# Altium PCB Pleiades_PP.PcbDoc (part 10 of 15)
Units mil, origin at the board's own origin, x right, y up, seen from the top; angles counter-clockwise.
Board outline 12244.09 x 4515.28 mil, 12 copper layers (TOP, GND1, IN1, GND2, POW1, GND3, POW2, GND4, GND5, IN2, GND6, BOT), stack 63.546 mil thick; 1447 components, 738 nets, 4532 pads, 3316 vias.
Unrouted connection lines stored in the file: 499.
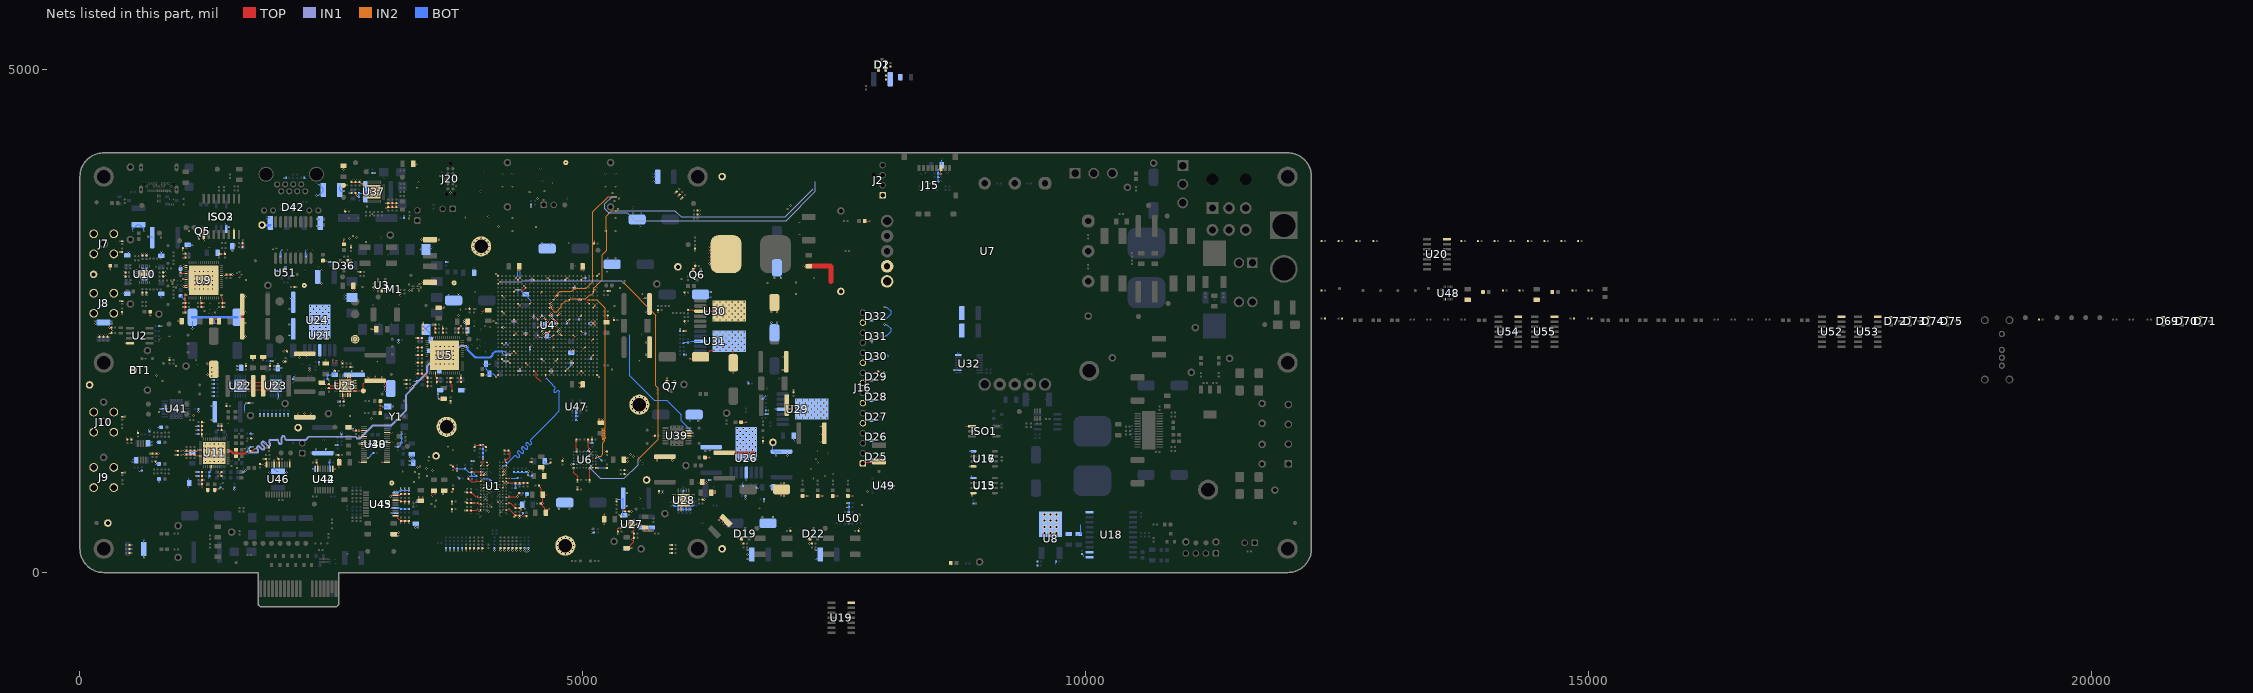
[diagram p20: the nets of this part, all layers, seen from the top]

## Via types
v1: diameter 12/18/18/18/18/18/18/18/18/18/18/12 (per signal layer), hole 6, TOP to BOT, 2739 vias
v2: diameter 20, hole 10, TOP to BOT, 363 vias
v3: diameter 19.68, hole 7.87, TOP to BOT, 110 vias
v4: diameter 40, hole 20, TOP to BOT, 36 vias
v5: diameter 25, hole 12, TOP to BOT, 32 vias
v6: diameter 22, hole 12, TOP to BOT, 27 vias
v7: diameter 19.68, hole 11.81, TOP to BOT, 9 vias

## Nets (pads, with @x,y where several pads share a name; then routed paths per layer and width w, separated by ;. In a path a pad name is that pad's centre, name@x,y a point inside that pad or via, vN(x,y) a via of type N, cw(c..) or ccw(c..) an arc to the next point about the centre after c; other vN are vias at no path point) (continued)
DQ15: U1.A3 U4.N1 | length 1575.7
  TOP w8.89: v1(4188.98,1047.24) 4204.72,1031.5 ; v1(4629.92,1936.73) U4.N1@4629.92,1964.57
  BOT w8.89: v1(4188.98,1047.24) 4198.63,1047.24 4214.07,1062.69 4224.08,1062.69 4294.93,1133.54 4318.5,1157.11 cw(c4328.71,1146.9) 4338.93,1157.11 4347.65,1148.39 ccw(c4357.86,1158.61) 4368.07,1148.39 ccw(c4357.86,1158.61) 4368.07,1168.82 4353.19,1183.7 cw(c4363.41,1193.91) 4353.19,1204.13 cw(c4363.41,1193.91) 4373.62,1204.13 4388.5,1189.25 ccw(c4398.72,1199.46) 4408.93,1189.25 ccw(c4398.72,1199.46) 4408.93,1209.68 4394.05,1224.56 cw(c4404.27,1234.77) 4394.05,1244.99 cw(c4404.27,1234.77) 4414.48,1244.99 4429.36,1230.11 ccw(c4439.57,1240.32) 4449.79,1230.11 ccw(c4439.57,1240.32) 4449.79,1250.53 4434.91,1265.41 cw(c4445.12,1275.63) 4434.91,1285.84 cw(c4445.12,1275.63) 4455.34,1285.84 4466.58,1274.6 ccw(c4476.79,1284.81) 4487.01,1274.6 ccw(c4476.79,1284.81) 4487.01,1295.03 4481.93,1300.11 cw(c4492.14,1310.32) 4481.93,1320.54 4707.3,1545.91 4767.72,1606.33 4767.72,1781.44 4767.72,1798.93 4763.1,1803.55 ccw(c4752.89,1793.33) 4742.68,1803.55 4734.82,1795.69 cw(c4724.61,1805.9) 4714.39,1795.69 cw(c4724.61,1805.9) 4714.39,1816.12 4722.25,1823.97 ccw(c4712.03,1834.19) 4722.25,1844.4 4671.71,1894.94 v1(4629.92,1936.73)
EN_EXT_SEL: R82.2 U4.AD19 U6.H4 | length 2078.9
  TOP w5.95: U6.H4@5129.49,1137.99 v1(5145.24,1153.74)
  TOP w8.89: v1(5043.31,2692.91) U4.AD19@5062.99,2673.23
  IN2 w3.68: v1@5045,2689.43 5045,2698.48 5047.2,2700.68 5047.2,2702.2 5055,2710 5140,2710 5222.04,2627.97 5222.04,1455.02 5222.04,1437.5 cw(c5214.2,1437.5) 5214.2,1429.67 5193.45,1429.67 ccw(c5193.45,1421.83) 5193.45,1413.99 5214.48,1413.99 cw(c5214.48,1406.15) 5214.48,1398.31 5193.45,1398.31 ccw(c5193.45,1390.47) 5193.45,1382.63 5214.2,1382.63 cw(c5214.2,1374.8) 5214.2,1366.96 5193.45,1366.96 ccw(c5193.45,1359.12) 5193.45,1351.28 5217.81,1351.28 cw(c5217.81,1343.44) 5217.81,1335.6 5202.32,1335.6 ccw(c5202.32,1327.77) 5202.32,1319.93 5208.38,1319.93 cw(c5208.38,1312.09) 5213.92,1306.55 5207.79,1300.42 5200,1292.63 5200,1175 5183.4,1158.4 5153.77,1158.4 5149.11,1153.74 v1(5145.24,1153.74)
  BOT w5.95: v1(5145.24,1153.74) 5146.39,1152.58 5149.92,1152.58 R82.2@5187.5,1115
ETHERNET_GROUND: C504.1 C507.2 C508.2 D42.3 D42.8 D44.2 D45.2 TP111.1 | length 464
  BOT w10: v1(1856.72,3530) C507.2@1885,3530 ; v1(2028.37,3925) D44.2@2051.22,3925 ; v1(2120,3586.56) D42.8@2120,3614.84 D42.3@2120,3645.16 ; D45.2@2228.78,3925 v1(2251.63,3925) ; v1(2353.06,3750) 2376.28,3750 2419,3792.72 C504.1@2419,3805 2419,3817.28 2376.28,3860 v1(2354,3860) ; v1(2356.72,3445) C508.2@2385,3445 ; v1(2356.72,3515) C508.2@2385,3515
  BOT w25: TP111.1@1810,3455 C507.2@1894,3455
FAN_PWM: D1.2 R54.1 U4.P18 | length 3614.4
  TOP w8.89: U4.P18@4669.29,2633.86 v1(4688.98,2653.54)
  IN1 w5: v1(5330,3595) 5916.15,3595 5976.15,3535 7010,3535 7290,3815
  IN2 w5: v1(4688.98,2653.54) 4688.98,2621.02 4715,2595 4740,2595 4786.5,2641.5 4786.5,2661.5 4829.41,2704.41 4864.41,2704.41 4880.78,2720.78 5030.78,2720.78 5070.15,2760.15 5087.44,2760.15 5110.55,2783.26 5110.55,2824.27 5195,2908.73 5195,3160 5240,3205 5240,3396.26 5235,3401.26 5235,3541.57 5288.43,3595 v1(5330,3595)
FAN_TACH: D2.2 R55.1 R56.2 U4.R20 | length 4009
  TOP w8.89: U4.R20@4708.66,2712.6 v1(4728.35,2732.28)
  IN1 w5: v1(5330,3735) 5290,3735 5220,3665 5220,3615 5257.93,3577.07 5442.93,3577.07 5520,3500 7020,3500 7312.25,3792.25 7312.25,3887
  IN2 w5: v1(4728.35,2732.28) 4728.35,2753.35 4773,2798 4889.07,2798 4897.33,2806.26 4916.07,2825 5035,2825 5100,2890 5100,3585 5250,3735 v1(5330,3735)
FGPA_TDO: U4.A24 U6.G1 | length 3921.8
  TOP w5.95: v1(5082.24,1059.25) U6.G1@5097.99,1043.5
  TOP w8.89: U4.A24@4157.48,2870.08 v1(4177.17,2889.76)
  IN1 w5.96: v1(5082.24,1059.25) 5082.24,1024.88 5172.13,935 5411.02,935 5550,1073.98 v1(5550,1125)
  IN1 w8.89: v1(4177.17,2889.76) 4394.76,2889.76 4408.21,2903.21 5381.79,2903.21 v1(5405,2880)
  IN2 w8.89: v1(5405,2880) 5725,2560 5725,1855 5750,1830 5750,1325 v1(5550,1125)
FRAME_N: R131.1 U4.C6 U11.20 | length 3973.1
  TOP w4.33: U11.20@1471.81,1219.53 1483.74,1219.53 1488.91,1214.35 1499.74,1214.35 1521.93,1192.16 1548.92,1192.16 1551.46,1194.7 R131.1@1551.46,1220 1560.11,1211.35 1560.11,1194.7 1562.64,1192.16 1636.62,1192.16 1640.49,1196.03 v1(1642.57,1196.03)
  TOP w8.89: U4.C6@4236.22,2161.42 v1(4255.91,2181.1)
  IN1 w3.09: v1(1642.57,1196.03) 1645.17,1198.64 1654.49,1198.64 1656.58,1200.73 1663.44,1200.73 1664.99,1200.73 ccw(c1664.99,1208.28) 1672.53,1208.28 1672.53,1230.9 cw(c1680.08,1230.9) 1680.08,1238.44 cw(c1680.08,1230.9) 1687.63,1230.9 1687.63,1207 ccw(c1695.18,1207) 1695.18,1199.45 1753.73,1199.45 1755.28,1199.45 1759.91,1199.45 1764.45,1199.45 1766.49,1201.49 ccw(c1758.32,1209.65) 1766.49,1217.82 1760.02,1224.28 cw(c1774.62,1238.88) 1760.02,1253.48 cw(c1774.62,1238.88) 1789.22,1253.48 1811.02,1231.67 ccw(c1819.19,1239.83) 1827.35,1248 1805.55,1269.81 cw(c1820.14,1284.4) 1805.55,1299 cw(c1820.14,1284.4) 1834.74,1299 1868.55,1265.19 ccw(c1876.71,1273.36) 1884.88,1265.19 ccw(c1876.71,1273.36) 1884.88,1281.52 1880.31,1286.08 cw(c1894.89,1300.7) 1880.29,1315.29 1888.64,1323.64 1906.41,1323.64 1919.74,1323.64 1958.02,1323.64 cw(c1958.02,1303) 1978.66,1303 1978.66,1295.19 ccw(c1990.21,1295.19) 1990.21,1283.64 ccw(c1990.21,1295.19) 2001.76,1295.19 2001.76,1339.9 cw(c2022.4,1339.9) 2022.4,1360.55 cw(c2022.4,1339.9) 2043.04,1339.9 2043.04,1335.19 ccw(c2054.59,1335.19) 2054.59,1323.64 2094.36,1323.64 2243.64,1323.64 2276.64,1356.64 2741.11,1356.64 2756.9,1340.85 2780.52,1340.85 2909.67,1470 3095,1470 3240,1615 3240,1770.08 3315.55,1845.63 3315.55,1855.14 3449.55,1989.14 3449.55,2056.96 3529.86,2137.27 3534.41,2137.27 3558.5,2161.36 3558.5,2165.91 3584.41,2191.82 3716.37,2191.82 3783.64,2259.09 3852.5,2259.09 v1(3853.4,2260)
  BOT w4.33: v1(3853.4,2260) 3852.73,2259.33 3852.73,2248.47 3860.84,2240.36 3860.84,2215.13 3930.97,2145 3935.97,2145 ccw(c3935.97,2145.88) 3936.85,2145.88 cw(c3937.72,2145.88) 3938.6,2145.88 ccw(c3939.47,2145.88) 3939.47,2145 4080,2145 4101.37,2166.37 4101.37,2177.9 4129.33,2205.86 4198.97,2205.86 4205.84,2198.98 4220.36,2198.98 4238.24,2181.1 v1(4255.91,2181.1)
FRAME_P: R130.1 U4.D6 U11.19 | length 3969.3
  TOP w4.33: U11.19@1471.81,1199.84 1483.74,1199.84 1488.91,1205.02 1495.88,1205.02 1518.06,1182.84 1548.92,1182.84 1551.46,1180.3 R130.1@1551.46,1155 1560.11,1163.65 1560.11,1180.3 1562.64,1182.84 1635,1182.84 1635.97,1181.86 1648.43,1181.86 1650.75,1184.18 v1(1663.44,1184.18)
  TOP w8.89: U4.D6@4275.59,2161.42 v1(4295.28,2181.1)
  IN1 w3.09: v1(1663.44,1184.18) 1666.53,1184.18 1672.7,1190.36 1768.22,1190.36 1768.61,1190.75 1772.92,1195.06 ccw(c1758.32,1209.65) 1772.92,1224.25 1766.45,1230.72 cw(c1774.62,1238.88) 1766.45,1247.05 cw(c1774.62,1238.88) 1782.78,1247.05 1804.59,1225.24 ccw(c1819.19,1239.83) 1833.77,1225.22 ; 1833.8,1225.26 ccw(c1819.19,1239.83) 1833.79,1254.43 1811.98,1276.24 cw(c1820.14,1284.4) 1811.98,1292.57 cw(c1820.14,1284.4) 1828.31,1292.57 1862.11,1258.76 ccw(c1876.71,1273.36) 1891.31,1258.76 ccw(c1876.71,1273.36) 1891.31,1287.95 1886.72,1292.54 cw(c1894.89,1300.7) 1886.72,1308.86 1892.41,1314.55 1915.51,1314.55 1919.74,1314.55 1958.02,1314.55 cw(c1958.02,1303) 1969.57,1303 1969.57,1295.19 ccw(c1990.21,1295.19) 1990.21,1274.55 ccw(c1990.21,1295.19) 2010.85,1295.19 2010.85,1339.9 cw(c2022.4,1339.9) 2022.4,1351.45 cw(c2022.4,1339.9) 2033.95,1339.9 2033.95,1335.19 ccw(c2054.59,1335.19) 2054.59,1314.55 2094.36,1314.55 2247.41,1314.55 2280.41,1347.55 2737.34,1347.55 2753.13,1331.76 2784.29,1331.76 2913.44,1460.91 3098.77,1460.91 3249.09,1611.23 3249.09,1766.32 3324.64,1841.86 3324.64,1846.86 cw(c3324.77,1846.86) 3324.77,1846.99 ccw(c3324.77,1847.11) 3324.77,1847.24 cw(c3324.77,1847.36) 3324.64,1847.36 3324.64,1851.38 3458.64,1985.38 3458.64,1990.38 cw(c3458.77,1990.38) 3458.77,1990.5 ccw(c3458.77,1990.63) 3458.77,1990.75 cw(c3458.77,1990.88) 3458.64,1990.88 3458.64,2053.19 3533.63,2128.18 3538.18,2128.18 3567.6,2157.6 3567.6,2162.14 3588.18,2182.73 3720.14,2182.73 3787.41,2250 3840,2250 3833.26,2243.26 v1(3833.26,2242.55)
  BOT w4.33: v1(3833.26,2242.55) 3833.93,2241.87 3846.13,2241.87 3851.51,2236.5 3851.51,2211.27 3927.11,2135.67 4083.86,2135.67 4110.7,2162.51 4110.7,2174.03 4133.2,2196.53 4195.1,2196.53 4202.37,2189.26 4202.37,2175.24 4210.67,2166.94 4222.4,2166.94 4261.77,2166.94 4275.94,2181.1 v1(4295.28,2181.1)
GND: BT1.- C1.2 C2.2 C3.2 C4.2 C5.2 C6.2 C7.2 C8.2 C9.2 C10.2 C11.2 C12.2 C13.2 C14.2 C15.2 C16.2 C17.2 C18.2 C19.2 C20.2 C21.2 C22.2 C23.2 C24.2 C25.2 C26.2 C27.2 C28.2 C29.2 C30.2 C31.2 C32.2 C33.2 C34.2 C35.2 C36.2 C37.2 C38.2 C39.2 C40.2 C41.2 C42.2 C43.2 C44.2 C45.2 C46.2 C47.2 C48.2 C49.2 C50.2 C51.2 C52.2 C53.2 C54.2 C55.2 C56.2 C57.2 C58.2 C59.2 C60.2 C61.2 C62.2 C63.2 C64.2 C65.2 C66.2 C67.2 C68.2 C69.2 C70.2 C71.2 C72.2 C73.2 C74.2 C75.2 C76.2 C77.2 C78.2 C79.2 C80.2 C81.2 C82.2 C83.2 C84.2 C85.2 C86.2 C88.2 C91.2 C92.2 C94.2 C95.2 C96.2 C97.2 C98.2 C99.2 C100.1 C101.2 C102.2 C103.2 C104.2 C105.2 C106.1 C107.2 C108.2 C109.2 C110.2 C111.2 C112.2 C113.2 C114.2 C115.2 C116.2 C117.2 C118.2 C119.2 C120.2 C121.2 C122.2 C123.2 C124.2 C125.2 C126.2 C127.2 C128.2 C129.2 C130.2 C131.2 C132.2 C133.2 C134.2 C135.2 C136.2 C137.2 C138.2 C139.2 C140.2 C141.2 C142.2 C143.2 C144.2 C145.2 C146.2 C147.2 C148.2 C149.2 C152.2 C153.2 C154.2 C155.2 C156.2 C157.2 C158.2 C159.2 C160.2 C161.2 C162.2 C163.2 C164.2 C165.2 C166.2 C167.2 C168.2 C169.2 C170.2 C171.2 C172.2 C173.2 C174.2 C175.2 C176.2 C177.2 C178.2 C179.2 C180.2 C181.2 C182.2 C183.2 C184.2 C185.2 C186.2 C187.2 C188.2 C189.2 C190.2 C191.2 C192.2 C193.2 C194.2 C195.2 C196.2 C197.2 C198.2 C199.2 C200.2 C201.2 C202.2 C203.2 C204.2 C205.2 C206.2 C207.2 C208.2 C209.2 C210.2 C211.2 C212.2 C213.2 C214.2 C215.2 C216.2 C217.2 C218.2 C226.1 C228.2 C229.2 C230.2 C231.2 C232.2 C233.2 C234.2 C237.2 C240.2 C241.2 C242.2 C243.2 C244.2 C245.2 C246.2 C247.2 C248.2 C249.2 C250.2 C251.2 C252.2 C253.2 C256.2 C257.2 C258.2 C259.2 C260.2 C261.2 C262.2 C263.2 C264.2 C265.2 C266.2 C267.2 C268.2 C269.2 C270.2 C271.2 C272.2 C273.2 C274.2 C275.2 C276.2 C277.2 C278.2 C279.2 C280.2 C281.2 C282.2 C283.2 C284.2 C285.2 C286.2 C287.2 C288.2 C289.2 C290.2 C293.2 C294.2 C295.2 C296.2 C297.2 C298.2 C299.2 C300.2 C301.2 C302.2 C303.2 C304.2 C305.2 C306.2 C307.2 C308.2 C309.2 C310.2 C311.2 C312.2 C313.2 C314.2 C315.2 C316.2 C317.2 C318.2 C319.2 C320.2 C321.2 C322.2 C323.2 C324.2 C325.2 C326.2 C327.2 C328.2 C329.2 C330.2 C331.2 C332.2 C333.2 C334.2 C335.2 C336.2 C337.2 C338.2 C363.2 C367.2 C368.2 C369.2 C370.2 C371.2 C372.2 C373.2 C374.2 C375.2 C376.2 C377.2 C378.2 C379.2 C380.2 C381.2 C382.2 C383.2 C384.2 C385.2 C386.2 C387.2 C388.2 C389.2 C390.2 C391.2 C392.2 C393.2 C394.2 C395.2 C396.2 C397.2 C398.2 C399.2 C400.2 C401.2 C402.2 C403.2 C404.2 C405.2 C406.2 C407.2 C408.2 C409.2 C410.2 C411.2 C413.2 C414.2 C415.2 C416.2 C417.2 C418.2 C419.2 C420.2 C421.2 C422.2 C423.2 C424.2 C425.2 C426.2 C427.2 C428.2 C429.2 C430.2 C431.2 C432.2 C433.2 C434.2 C435.2 C436.2 C437.2 C438.2 C439.2 C440.2 C441.2 C442.2 C443.2 C444.2 C445.2 C446.2 C447.2 C448.2 C449.2 C450.2 C451.2 C452.2 C453.2 C454.2 C455.2 C456.2 C457.2 C458.2 C459.2 C460.2 C461.2 C462.2 C463.2 C464.2 C465.2 C466.2 C467.2 C468.2 C469.2 C470.2 C471.2 C472.2 C473.2 C474.2 C475.2 C479.2 C487.2 C488.2 C489.2 C490.2 C491.2 C495.2 C496.2 C497.2 C500.2 C501.2 C502.2 C503.2 C504.2 C505.2 C506.2 C509.2 C510.2 C511.2 C512.2 C513.2 C514.2 C515.2 C516.2 C517.2 C518.2 C519.2 C520.2 C521.2 C522.2 C523.2 C524.2 C525.2 C526.2 C527.2 C528.2 C529.2 C530.2 C531.2 C532.2 C533.2 C534.2 C535.2 C536.2 C541.2 C542.2 C543.2 C546.2 C547.2 C564.2 C565.2 C566.2 C567.2 C568.2 C569.2 C570.2 C576.2 C577.2 C578.2 C579.2 C587.2 C588.2 C589.2 C590.2 C591.2 C592.2 C593.2 C598.2 C599.2 C600.2 C601.2 C603.2 C604.2 C605.2 C606.2 C607.2 C608.2 C609.2 C610.2 C611.2 C612.2 C613.2 C614.2 C615.2 C616.2 C617.2 C618.2 C619.1 C620.1 C621.1 C622.1 C623.1 D1.1 D2.1 D5.2 D6.2 D7.2 D8.2 D9.2 D19.1 D20.2 D21.2 D22.1 D23.2 D24.2 D25.1 D26.1 D27.1 D28.1 D29.1 D30.1 D31.1 D32.1 D36.1 D41.2 D47.2 D48.2 D49.2 D51.2 D53.2 D69.1 D70.1 D71.1 D72.1 D73.1 D74.1 D75.1 HEAT1.1 HEAT1.2 HEAT2.1 HEAT2.2 ISO1.3 ISO2.9 ISO2.15 ISO3.3 J2.1 J7.2 J7.3 J7.4 J7.5 J8.2 J8.3 J8.4 J8.5 J9.2 J9.3 J9.4 J9.5 J10.2 J10.3 J10.4 J10.5 J15.6 J16.1 J16.5 J16.7 J16.9 J16.11 J16.15 J20.3 M1.1 M1.7 M1.14 Q5.2 Q6.2 Q7.2 R1.2 R2.2 R3.2 R4.2 R5.2 R6.2 R7.2 R8.2 R9.2 R10.2 R11.2 R12.2 R13.1 R14.2 R33.2 R51.2 R52.1 R53.2 R60.2 R61.2 R64.2 R69.2 R74.1 R75.2 R77.1 R78.2 R79.2 R80.2 R81.2 R94.2 R95.2 R100.1 R101.2 R109.1 R110.2 R118.2 R119.2 R120.2 R125.2 R126.2 R127.2 R128.2 R129.2 R145.2 R174.2 R185.2 R192.2 R193.2 R194.2 R195.2 R196.2 R197.2 R198.2 R199.2 R200.2 R201.2 R202.2 R203.2 R204.2 R205.2 R206.2 R207.2 R208.2 R209.2 R210.2 R211.2 R212.2 R215.2 R216.2 R219.2 R220.2 R226.2 R227.2 R228.2 R230.2 R232.2 R233.2 R234.2 R235.2 R236.2 R237.2 R238.2 R239.2 R240.2 R257.2 R258.2 R259.2 R260.2 R261.2 R262.2 R263.2 R264.2 R265.2 R288.2 R296.2 R307.2 R313.2 R314.2 R317.2 R323.2 R327.1 R328.2 R332.1 R333.2 R339.1 R343.2 R355.2 TP1.1 TP2.1 TP3.1 TP24.1 TP35.1 TP50.1 TP58.1 TP82.1 TP84.1 TP86.1 TP91.1 TP93.1 TP97.1 TP103.1 TP118.1 TP122.1 TP149.1 U1.A9 U1.B1 U1.B3 U1.B9 U1.D1 U1.D8 U1.E1 U1.E2 U1.E8 U1.F9 U1.G1 U1.G8 U1.G9 U1.J2 U1.J8 U1.M1 U1.M9 U1.P1 U1.P9 U1.T1 U1.T9 U2.4 U3.2 U4.A1 U4.A26 U4.AB2 U4.AB12 U4.AB16 U4.AB20 U4.AB25 U4.AC8 U4.AE6 U4.AE10 U4.AE14 U4.AE18 U4.AE22 U4.AF1 U4.AF26 U4.B5 U4.B9 U4.B13 U4.B17 U4.B21 U4.D4 U4.E7 U4.E11 U4.E15 U4.E22 U4.F2 U4.F19 U4.F25 U4.H4 U4.H11 U4.H23 U4.J8 U4.J19 U4.K2 U4.K16 U4.K25 U4.L11 U4.L13 U4.L15 U4.M5 U4.M12 U4.M14 U4.M16 U4.M22 U4.N11 U4.N13 U4.N15 U4.P2 U4.P12 U4.P14 U4.P16 U4.P19 U4.P25 U4.R8 U4.R11 U4.R13 U4.R15 U4.T5 U4.T12 U4.T14 U4.T16 U4.T21 U4.U11 U4.V2 U4.V25 U4.W15 U4.W20 U4.Y4 U4.Y7 U4.Y11 U4.Y23 U5.36 U5.PAD U6.A1 U6.A2 U6.B6 U6.F1 U6.F5 U6.F6 U6.H1 U7.4 U7.5 U8.3 U9.17 U9.18 U9.21 U9.24 U9.27 U9.28 U9.31 U9.32 U9.39 U9.49 U9.59 U9.PAD U10.PAD U11.5 U11.41 U11.44 U11.PAD U13.4 U15.4 U16.4 U17.4 U18.1 U18.2 U18.10 U19.7 U20.7 U21.4 U21.8 U22.7 U22.E1 U23.7 U23.E1 U24.1 U25.2 U25.4 U25.5 U25.6 U25.7 U25.8 U25.9 U25.10 U25.11 U25.12 U25.17 U25.18 U25.19 U25.21 U26.4 U26.8 U27.4 U27.8 U27.11 U28.7 U28.E1 U29.4 U29.8 U30.4 U30.8 U31.4 U31.8 U32.2 U32.8 U37.1 U37.33 U37.34 U37.35 U37.36 U37.37 U37.38 U37.39 U37.40 U37.41 U37.42 U38.2 U39.11 U39.12 U39.13 U40.3 U40.6 U40.9 U40.10 U40.19 U40.20 U40.30 U40.35 U41.11 U42.9 U42.15 U43.11 U43.17 U43.19 U44.9 U44.15 U45.11 U45.17 U45.19 U46.1 U46.5 U46.7 U46.10 U47.2 U48.18 U48.20 U49.2 U50.2 U51.3 U52.7 U53.7 U54.7 U55.7 Y1.3 | length 45215.1
  TOP w5.95: v1(4886.74,1075) U6.A2@4909.02,1075 ; v1(4909.02,1021.23) U6.A1@4909.02,1043.5 ; U6.B6@4940.51,1200.98 v1(4940.51,1223.26) ; v1(5066.5,1021.23) U6.F1@5066.5,1043.5 ; U6.F5@5066.5,1169.49 v1(5082.24,1185.24) ; U6.F6@5066.5,1200.98 v1(5066.5,1223.26) ; U6.H1@5129.49,1039.74 v1(5151.76,1039.74)
  TOP w6: v1(1031.32,3032.95) U9.18@1053.82,3032.95 ; v1(1031.32,3052.64) U9.17@1053.82,3052.64
  TOP w8: C50.2@3860.52,931.05 3890.03,901.55 3934.38,901.55 3938.09,905.26 3984,905.26 U1.G1@3984.25,905.51
  TOP w8.89: C22.2@3890,617.5 3943.55,617.5 3954.63,628.58 v1(3955.47,628.58) ; C28.2@3890,797.5 3932.93,754.57 v1(3955.47,754.57) ; v1(3912.5,692.5) 3912.96,692.04 3955.01,692.04 v1(3955.47,691.57) ; v1(3917.5,997.5) 3918.34,997.5 3920.84,1000 U1.D1@3984.25,1000 ; v1@3956.31,628.58 3962.85,622.05 U1.T1@3984.25,622.05 ; v1@3956.31,691.57 3962.85,685.04 U1.P1@3984.25,685.04 v1(4000,669.29) ; v1@3956.31,754.57 3962.85,748.03 U1.M1@3984.25,748.03 ; U1.G1@3984.25,905.51 v1(4000,921.26) ; U1.B1@3984.25,1062.99 v1(4000,1078.74) 4000,1100.4 4007.5,1107.9 v1(4007.5,1127.5) ; v1(4000,826.77) U1.J2@4015.75,842.52 ; v1(4000,984.25) U1.E1@3984.25,968.5 ; v1(4000,1015.75) U1.D1@3984.25,1000 ; v1(4031.5,984.25) U1.E2@4015.75,968.5 U1.E1@3984.25,968.5 ; U1.B3@4047.61,1063.33 4062.4,1078.12 4062.4,1081.77 v1(4062.99,1082.36) ; v1(4137.8,1944.88) U4.A1@4157.48,1964.57 ; v1(4137.8,2968.5) U4.A26@4157.48,2948.82 ; U4.B5@4196.85,2122.05 v1(4216.54,2102.36) ; U4.B9@4196.85,2279.53 v1(4216.54,2259.84) ; U4.B13@4196.85,2437.01 4197.57,2436.29 4211.06,2436.29 v1(4211.65,2435.69) ; U4.B17@4196.85,2594.49 v1(4216.54,2574.8) ; U4.B21@4196.85,2751.97 v1(4216.54,2732.28) ; U1.J8@4204.72,842.52 v1(4220.47,858.27) ; U1.G8@4204.72,905.51 v1(4220.47,889.76) ; U1.E8@4204.72,968.5 v1(4220.47,984.25) ; U1.D8@4204.72,1000 v1(4220.47,1015.75) ; C48.2@4220,1212.5 C49.2@4260,1212.5 4260,1212.2 4277.45,1194.75 4277.45,1152.68 4248.75,1123.98 4227.34,1123.98 v1(4226.75,1123.39) 4226.75,1122.55 4234.91,1114.39 4234.91,1095.8 U1.A9@4236.22,1094.49 ; U1.T9@4236.22,622.05 4257.62,622.05 v1@4264.16,628.58 ; U1.P9@4236.22,685.04 4257.62,685.04 v1@4264.16,691.57 ; U1.M9@4236.22,748.03 4257.62,748.03 v1@4264.16,754.57 ; U1.G9@4236.22,905.51 v1(4251.97,889.76) 4252.56,890.36 4327.86,890.36 C21.2@4330,892.5 ; U1.F9@4236.22,937.01 v1(4280.76,937.01) ; U1.B9@4236.22,1062.99 v1(4251.97,1047.24) ; v1(4255.91,2102.36) U4.D4@4275.59,2082.68 ; v1(4265,628.58) 4265.59,627.99 4269.51,627.99 C29.2@4330,567.5 4330.72,568.22 4369.92,568.22 C30.2@4370.64,568.95 4400.21,568.95 4401.66,567.5 v1(4402.5,567.5) 4403.34,567.5 4408.34,562.5 C31.2@4440,562.5 ; v1(4265,691.57) 4265.59,690.98 4281.52,690.98 C15.2@4330,642.5 ; v1(4265,754.57) 4346.74,754.57 4349.26,757.09 v1(4350.1,757.09) ; v1(4295.28,2496.06) U4.E15@4314.96,2515.75 v1(4334.65,2496.06) ; U4.E7@4314.96,2200.79 v1(4334.65,2181.1) ; U4.E11@4314.96,2358.27 v1(4334.65,2377.95) ; U4.E22@4314.96,2791.34 v1(4334.65,2811.02) ; v1(4334.65,2929.13) U4.F25@4354.33,2909.45 v1(4374.02,2929.13) ; U4.F2@4354.33,2003.94 v1(4374.02,2023.62) ; U4.F19@4354.33,2673.23 v1(4374.02,2653.54) ; v1(4374.02,2811.02) 4413.39,2811.02 U4.H23@4433.07,2830.71 v1(4413.39,2850.39) ; v1(4413.39,2377.95) U4.H11@4433.07,2358.27 v1(4452.76,2377.95) ; U4.H4@4433.07,2082.68 v1(4452.76,2062.99) ; U4.J8@4472.44,2240.16 v1(4492.13,2259.84) ; U4.J19@4472.44,2673.23 v1(4492.13,2692.91) ; v1(4492.13,2535.43) U4.K16@4511.81,2555.12 ; v1(4492.13,2889.76) U4.K25@4511.81,2909.45 v1(4492.13,2929.13) ; v1(4531.5,2535.43) U4.L15@4551.18,2515.75 ; U4.L11@4551.18,2358.27 4568.85,2340.59 4579.41,2340.59 v1(4580,2340) ; U4.L13@4551.18,2437.01 v1(4570.87,2456.69) U4.M14@4590.55,2476.38 ; v1(4570.87,2535.43) U4.M16@4590.55,2555.12 ; v1(4570.87,2771.65) U4.M22@4590.55,2791.34 ; U4.M5@4590.55,2122.05 v1(4610.24,2102.36) ; U4.M12@4590.55,2397.64 v1(4610.24,2417.32) U4.N13@4629.92,2437.01 ; C45.2@4603,775 4603,710.5 C19.2@4577.5,685 4620.95,641.55 4620.95,607.05 C18.2@4633,595 ; v1(4610,2377.95) 4649.61,2377.95 U4.P12@4669.29,2397.64 ; v1(4610.24,2338.58) U4.N11@4629.92,2358.27 ; v1(4610.24,2535.43) U4.N15@4629.92,2515.75 ; v1(4649.61,2496.06) U4.P14@4669.29,2476.38 ; v1(4649.61,2929.13) U4.P25@4669.29,2909.45 ; U4.P16@4669.29,2555.12 v1(4688.98,2574.8) ; U4.P19@4669.29,2673.23 v1(4688.98,2692.91) ; v1(4688.98,1984.25) U4.P2@4669.29,2003.94 v1(4688.98,2023.62) ; v1(4688.98,2220.47) U4.R8@4708.66,2240.16 ; v1(4688.98,2338.58) U4.R11@4708.66,2358.27 ; v1(4688.98,2535.43) U4.R15@4708.66,2515.75 v1(4728.35,2496.06) U4.T14@4748.03,2476.38 ; U4.R13@4708.66,2437.01 v1(4728.35,2456.69) ; v1(4728.35,2102.36) U4.T5@4748.03,2122.05 ; U4.T12@4748.03,2397.64 v1(4767.72,2417.32) ; U4.T16@4748.03,2555.12 v1(4767.72,2574.8) ; U4.T21@4748.03,2751.97 v1(4767.72,2771.65) ; v1(4767.72,2377.95) U4.U11@4787.4,2358.27 ; U4.V2@4826.77,2003.94 v1(4846.46,2023.62) ; U4.V25@4826.77,2909.45 v1(4846.46,2929.13) ; v1(4846.46,2496.06) U4.W15@4866.14,2515.75 ; U4.W20@4866.14,2712.6 v1(4885.83,2732.28) ; v1(4885.83,2062.99) U4.Y4@4905.51,2082.68 v1(4885.83,2102.36) ; v1(4885.83,2220.47) U4.Y7@4905.51,2200.79 v1(4925.2,2220.47) ; U4.Y11@4905.51,2358.27 v1(4925.2,2338.58) ; v1(4925.2,2811.02) U4.Y23@4905.51,2830.71 v1(4925.2,2850.39) ; v1(4964.57,1984.25) U4.AB2@4984.25,2003.94 v1(5003.94,1984.25) ; v1(4964.57,2535.43) U4.AB16@4984.25,2555.12 ; v1(4964.57,2692.91) U4.AB20@4984.25,2712.6 ; U4.AB12@4984.25,2397.64 v1(5003.94,2377.95) ; U4.AB25@4984.25,2909.45 v1(5003.94,2929.13) ; v1(5003.94,2220.47) U4.AC8@5023.62,2240.16 ; v1(5082.68,2141.73) U4.AE6@5102.36,2161.42 ; v1(5082.68,2299.21) U4.AE10@5102.36,2318.9 ; v1(5082.68,2456.69) U4.AE14@5102.36,2476.38 ; v1(5082.68,2496.06) U4.AE14@5102.36,2476.38 ; U4.AE18@5102.36,2633.86 v1(5122.05,2653.54) ; U4.AE22@5102.36,2791.34 v1(5122.05,2811.02) ; v1(5122.05,2456.69) U4.AE14@5102.36,2476.38 ; v1(5122.05,2496.06) U4.AE14@5102.36,2476.38 ; U4.AF1@5141.73,1964.57 v1(5161.42,1944.88) ; U4.AF26@5141.73,2948.82 v1(5161.42,2968.5) ; U1.E1@3984.25,968.5 U1.D1@3984.25,1000